# KiCad board MuxPi.kicad_pcb (continued)
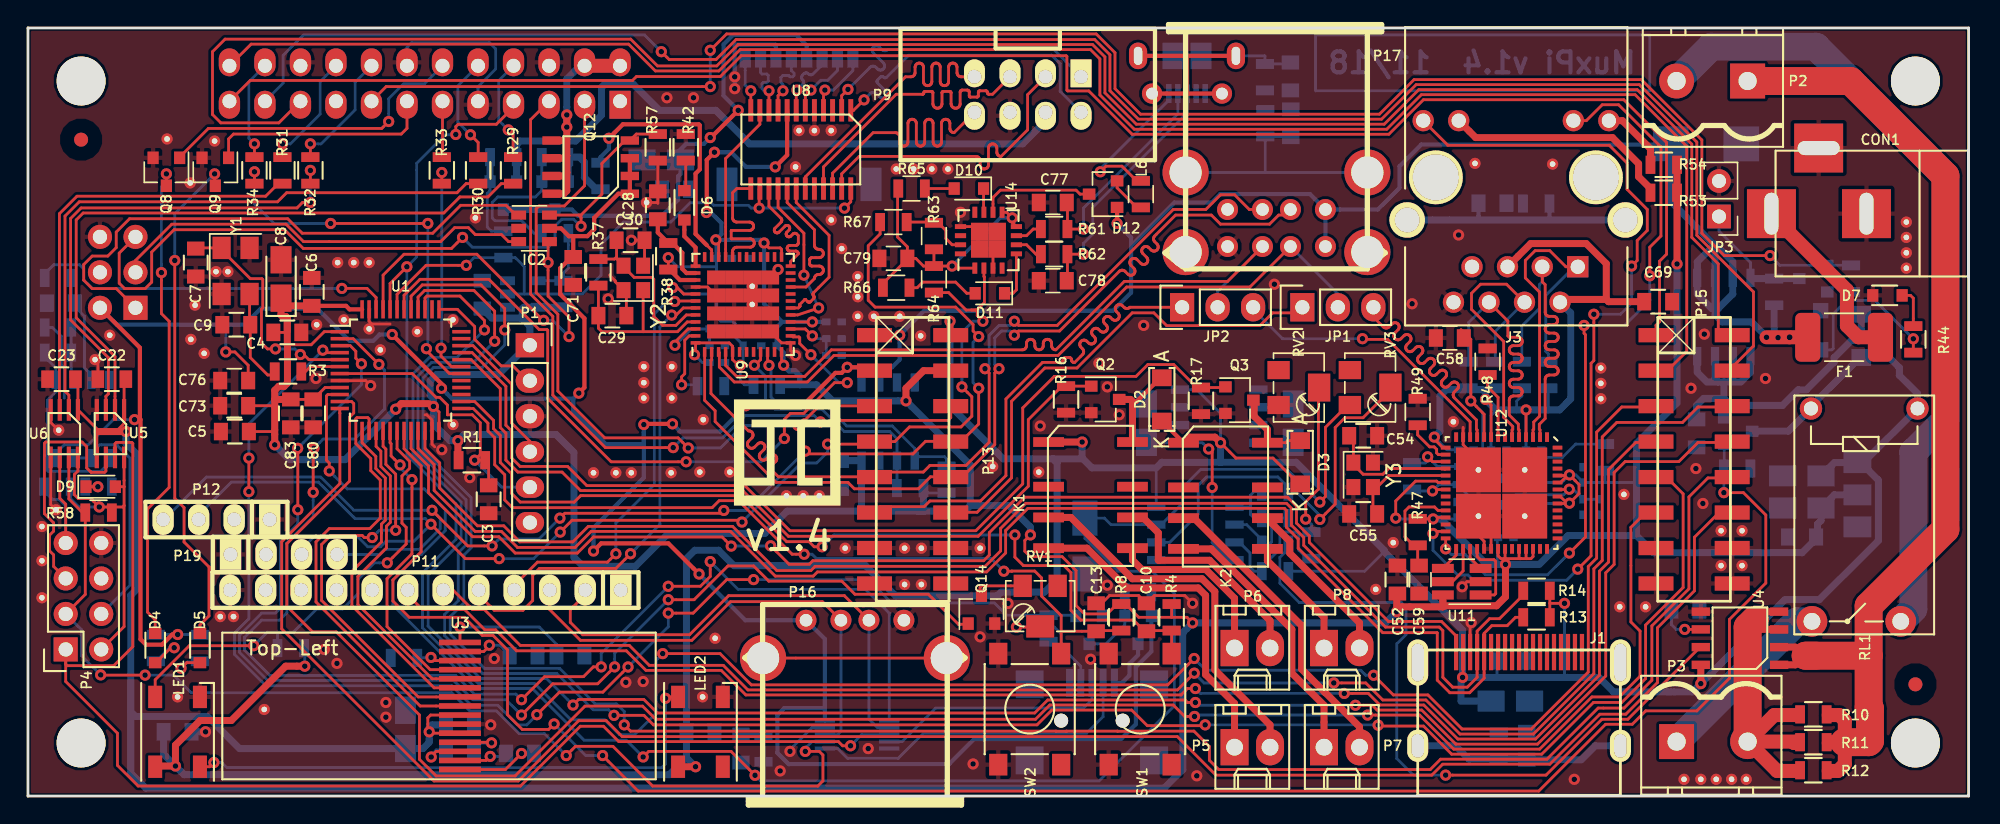
[diagram p0: board, top side]
## Routing (per net, layer and track width the routed paths; a pad name or vN(x,y) marks a point on that pad's centre or on a via; arc(x,y) is an arc through that point) (continued)
Net-(D5-Pad1): length 36.2
  Top w0.2: D5.1 12.3,12.25 12.95,12.9 12.95,16.4 11.16,18.19 11.16,20.66 10.5,21.32 v1(10.5,38.35) ; v1(13.35,44.55) 13.35,43.75 Q9.3
  Bottom w0.2: v1(13.35,44.55) 10.5,41.7 v1(10.5,38.35)
Net-(D5-Pad2): length 3.1
  Top w0.2: v1(10.95,9.15) 11.35,9.55 D5.2
  Bottom w0.2: v1(10.95,9.15) 11.4,9.6 12.3,9.6
Net-(D6-Pad1): length 2.2
  Top w0.2: R42.1 47.05,43.45 D6.1
Net-(D6-Pad2): length 3.6
  Top w0.3: D6.2 46.95,40.08 47.75,39.28 U9.37
Net-(D7-Pad2): length 2.9
  Top w0.2: R44.2 134.85,35.65 134.65,35.85 D7.2
Net-(D9-Pad1): length 1.8
  Top w0.2: D9.1 v1(5,22.15)
  Bottom w0.2: v1(5,22.15) R6.1
Net-(D9-Pad2): length 25.3
  Top w0.2: v1(5.1,20.7) 5,20.8 5,20.9 ; v1(5.1,20.7) 5,20.7 ; v1(5.1,20.7) 6.77,20.7 6.88,20.8 ; v1(5.1,20.7) 4.5,21.3 3.6,21.3 3.32,21.58 3.32,23.02 3.57,23.28 U6.8 ; D9.2 6.88,22.15 ; 6.88,22.15 U5.8 ; 6.88,22.15 6.88,20.8 ; 6.88,20.8 6.88,12.13 P4.2
  Bottom w0.2: R27.1 3.05,21.3 3.65,20.7 v1(5.1,20.7) 5.1,20.65
Net-(D10-Pad1): length 1.7
  Top w0.2: D10.1 68.35,41.82 U14.11
Net-(D10-Pad2): length 2.1
  Top w0.2: R65.2 D10.2
Net-(D11-Pad1): length 3.5
  Top w0.2: 70.7,38.82 70.7,36.25 70.45,36 D11.1
Net-(D11-Pad2): length 5.2
  Top w0.2: D11.2 67.15,36 66.35,36.8 64,36.8 63.6,36.4 R66.2
Net-(D12-Pad2): length 2.8
  Top w0.2: D12.2 77.9,43.55 79.3,42.15 L6.2
Net-(D12-Pad3): length 8.3
  Top w0.2: D12.3 75.25,43.1 74.96,43.39 69.55,43.39 69.03,42.86 U14.10
Net-(IC1-Pad5): length 19
  Top w0.2: v1(53,30.84) 52.9,30.94 U9.10
  Bottom w0.2: R40.2 65.7,24.15 65.55,24.3 63.71,24.3 IC1.5 63.43,24.89 61.82,26.5 58.55,26.5 56.95,28.1 53.61,28.1 53.15,28.56 53.15,30.69 v1(53,30.84)
Net-(IC1-Pad6): length 18.1
  Top w0.2: U9.9 52.4,31.25 52,30.85 v1(51.95,30.85)
  Bottom w0.2: R41.2 62.16,22.06 IC1.6 62.16,25.59 61.65,26.1 58.38,26.1 56.78,27.7 53.44,27.7 52.75,28.39 52.75,30.05 v1(51.95,30.85)
Net-(J2-Pad1): length 4.9
  Top w0.2: v1(57,50.55) 56.9,50.45 U8.4
  Bottom w0.2: J2.1 59,51.95 57.6,50.55 v1(57,50.55)
Net-(J2-Pad2): length 4.9
  Top w0.2: U8.6 55.6,50.15 v1(56,50.55)
  Bottom w0.2: J2.2 57.9,51.95 57.2,51.25 56.7,51.25 v1(56,50.55)
Net-(J2-Pad3): length 5
  Top w0.2: U8.7 54.95,50.5 v1(55,50.55)
  Bottom w0.2: J2.3 56.8,52.35 56.16,51.71 56.12,51.68 56.07,51.66 56.02,51.64 55.97,51.64 55.91,51.66 55.87,51.68 55.78,51.75 55.73,51.77 55.68,51.78 55.63,51.78 55.58,51.77 55.53,51.75 55.49,51.71 55.4,51.63 55.37,51.58 55.34,51.54 55.33,51.48 55.33,51.43 55.34,51.38 55.37,51.33 55.43,51.25 55.46,51.2 55.47,51.15 55.47,51.09 55.46,51.04 55.43,50.99 55.4,50.95 v1(55,50.55)
Net-(J2-Pad5): length 4.9
  Top w0.2: U8.9 53.65,50.15 v1(54,50.5)
  Bottom w0.2: v1(54,50.5) 54,50.95 53.85,51.1 53.85,51.45 54,51.6 54.4,51.6 54.5,51.5 54.7,51.5 54.8,51.6 54.8,51.75 54.6,51.95 J2.5
Net-(J2-Pad7): length 4.9
  Top w0.2: U8.10 v1(53,50.5)
  Bottom w0.2: J2.7 52.4,51.8 52.5,51.7 52.85,51.7 52.95,51.6 52.95,51.2 52.85,51.1 52.6,51.1 52.5,51 52.5,50.65 52.65,50.5 v1(53,50.5)
Net-(J2-Pad8): length 3.9
  Top w0.2: U8.12 v1(51.7,50.5)
  Bottom w0.2: v1(51.7,50.5) 51.3,50.9 J2.8
Net-(J3-PadGA): length 16.6
  Top w0.5: R53.1 116.05,43.5 115.2,44.35 115.2,45.28 113.33,47.15 103.55,47.15 J3.GA
Net-(J3-PadGK): length 62.4
  Top w0.2: v1(112,34.5) 112,31.19 111.8,30.99 111.8,17.2 v1(110.85,16.25) ; U12.27 100.64,18.95 v1(100.49,18.8) ; 99.8,48.36 101.56,46.6 113.1,46.6 114.38,45.32 114.38,43.45 115.82,42 115.82,40.5 115.1,39.78 115.1,38.35 v1(114.7,37.95)
  Bottom w0.2: v1(110.85,16.25) 110.05,15.45 103.37,15.45 103,15.82 102.26,15.82 100.49,17.59 v1(100.49,18.8) ; v1(112,34.5) 113.9,34.5 114.7,35.3 v1(114.7,37.95)
Net-(J3-PadYA): length 5
  Top w0.5: R54.1 116.05,46.35 114.04,48.36 J3.YA
Net-(J3-PadYK): length 52.6
  Top w0.2: J3.YK 111.46,48.36 112.6,49.5 113.77,49.5 116.8,46.47 116.8,40.1 116,39.3 v1(116,37.25) ; v1(111.3,33.7) 111.3,33.13 111.4,33.03 111.4,18.55 v1(110.25,17.4) ; U12.28 v1(101.4,17.7)
  Bottom w0.2: v1(111.3,33.7) 114.2,33.7 116,35.5 v1(116,37.25) ; v1(110.25,17.4) 108.7,15.85 104.25,15.85 102.8,17.3 101.8,17.3 v1(101.4,17.7)
Net-(J5-Pad2): length 23.8
  Bottom w0.2: U13.6 57.92,3.4 58.62,2.7 62.24,2.7 64.04,4.5 75.71,4.5 76.9,5.69 J5.2
Net-(J5-Pad3): length 16.9
  Bottom w0.2: U13.4 62.53,3.9 64.93,6.3 75.5,6.3 76.1,6.9 J5.3
Net-(JP3-Pad1): length 8.8
  Bottom w0.2: JP3.1 120.95,40.45 123.21,38.19 Q11.4 123.25,37.05
  Bottom w0.5: Q10.3 R46.2 123.25,37.05
Net-(K1-Pad3): length 26.9
  Top w0.5: P5.2 88.84,5.09 84.89,9.04 84.89,14.64 83.97,15.56 78.99,15.56 74.6,19.95 K1.3
Net-(K1-Pad4): length 24.4
  Top w0.5: K1.4 75.75,17.75 78.6,14.9 83.7,14.9 84.23,14.37 84.23,8.7 86.3,6.63 P5.1
Net-(K1-Pad5): length 13.1
  Top w0.5: 86.3,10.9 P6.1 86.3,14.17 84.25,16.22 79.68,16.22 79,16.9 K1.5
Net-(K1-Pad6): length 16
  Top w0.5: K1.6 79.75,19.95 80.85,18.85 80.85,16.9 80.87,16.88 84.52,16.88 88.84,12.56 P6.2
Net-(K2-Pad3): length 22.1
  Top w0.5: K2.3 83.4,19.9 91.1,12.2 91.1,9.09 92.79,7.4 92.8,7.4 95.24,4.96 P7.2
Net-(K2-Pad4): length 19.5
  Top w0.5: P7.1 92.7,6.5 90.4,8.8 90.4,11.93 84.63,17.7 K2.4
Net-(K2-Pad5): length 9.5
  Top w0.5: K2.5 88.65,16.85 92.7,12.8 P8.1 ; 87.85,17.7 88.6,17.7
Net-(K2-Pad6): length 12.8
  Top w0.5: K2.6 88.65,19.84 90.25,18.24 90.25,17.39 95.24,12.4 P8.2 ; 87.85,19.9 88.6,19.9
Net-(L1-Pad2): length 19
  Top w0.2: U9.35 48.9,39.12 48.88,39.12 48.55,39.45
  Top w0.3: 48.55,39.45 47.75,40.25 47.75,44.57 48.05,44.87 48.05,48.03 47.98,48.1 42.55,48.1 v1(41.55,47.1)
  Bottom w0.3: v1(41.55,47.1) 41.55,46.35 40.95,45.75 L1.2
Net-(L6-Pad1): length 11.1
  Top w0.2: v1(76.7,44.7) 77.1,45.1 78.25,45.1 79.3,44.05 L6.1
  Bottom w0.2: P10.1 81.6,49.82 76.7,44.93 v1(76.7,44.7)
Net-(LED1-Pad2): length 39.3
  Top w0.2: LED2.4 45.7,7.1 v1(45.6,7) ; LED1.2 13,2.1 v1(13.3,2.4)
  Bottom w0.2: v1(13.3,2.4) 13.87,2.4 14.23,2.04 45.34,2.04 45.6,2.3 v1(45.6,7)
Net-(P2-Pad1): length 79
  Top w0.2: 127.9,10.05 127.06,10.05 126.8,9.79
  Top w0.5: 125.25,10.66 126.41,10.66 126.8,10.27 126.8,9.79 126.41,9.4 U4.1
  Top w1: 129.95,3.9 129.91,3.86 128.86,3.86 128.8,3.8 ; 129.95,3.9 129.95,5.41 129.56,5.8 128.8,5.8 ; 129.95,3.9 129.95,2.29 129.46,1.8 128.8,1.8
  Top w2: 127.9,10.05 127.15,10.05 131.65,10.05 ; 131.65,10.05 131.65,6.35 131.75,6.25 131.75,3.95 131.66,3.86 129.91,3.86 ; 131.65,10.05 131.65,13.61 137.15,19.1 137.15,44.4 130.35,51.2 P2.1
Net-(P2-Pad2): length 57.4
  Bottom w2: 133.9,12.45 134.85,13.4 134.85,24.62 137.15,26.92 137.15,44.4 127.9,53.65 120.37,53.65 P2.2
Net-(P3-Pad1): length 13.2
  Bottom w2: RL1.2 126.53,12.51 P3.1
Net-(P3-Pad2): length 29
  Top w0.2: U4.4 124.1,13.21 123.5,12.6 124.16,11.94 U4.3
  Top w0.5: U4.4 123.16,13.21 ; U4.3 124.09,11.94
  Top w1: P3.2 124.9,5.8 126.6,5.8 ; P3.2 125.1,1.8 126.6,1.8 ; P3.2 126.5,3.9 126.6,3.8 126.32,3.8 126.26,3.86
  Top w2: P3.2 123,12.1 123.5,12.6
Net-(P4-Pad4): length 17
  Bottom w0.2: U2.7 U2.6 4.54,24.56 5.13,25.15 5.26,25.15 5.26,25.16 6.35,25.16 6.41,25.1 6.41,25.09 7.3,24.19 7.3,15.1 P4.4
Net-(P4-Pad5): length 17.8
  Top w0.2: U5.6 5.57,23.28 5.48,23.18 4.54,23.18 4.52,23.2 4.5,23.2 4.2,23.5 4.2,25.02 3.87,25.35 1.27,25.35 1.18,25.26 1.18,24.38 1.17,24.37 1.17,20.23 1.84,19.56 1.84,18.97 1.54,18.68 1.54,17.56 1.84,17.27 1.84,16.44 P4.5
Net-(P4-Pad7): length 11.3
  Top w0.2: P4.7 2.7,20.9 2.27,21.32 U6.6
  Bottom w0.2: R27.2 1.15,21.85 1.76,21.24 2.24,21.24 2.7,20.78 P4.7
Net-(Q4-Pad1): length 12.3
  Bottom w0.2: 36.6,40.45 36.6,39.85 ; 36.75,45.45 R19.1 Q4.1 36.75,43.35 36.3,42.9 33.6,42.9 33.21,42.51 33.21,41.39 33.4,41.2 35.3,41.2 36.2,40.3 R75.1
Net-(Q5-Pad1): length 6.4
  Bottom w0.2: R76.1 33.15,40.45 32.85,40.75 32.85,43.15 33.05,43.35 Q5.1
  Bottom w0.5: R20.1 Q5.1
Net-(Q13-Pad3): length 5.5
  Bottom w0.2: Q13.3 77.1,10.9 78.45,12.25 Q6.1 R25.2
Net-(Q14-Pad3): length 3.7
  Top w0.2: RV1.3 68.2,15.05 68.1,14.95 68.1,14.3
Net-(R3-Pad2): length 2.9
  Top w0.2: U1.6 20.2,30.75 19.6,30.15
Net-(R5-Pad1): length 3.2
  Top w0.2: v1(28.83,9.93) 29.05,9.7 U3.13
  Bottom w0.2: R5.1 28.8,9.9 v1(28.83,9.93)
Net-(R18-Pad2): length 5.5
  Bottom w0.2: 36.3,36.9 U7.4 R18.2 38.3,37.45 38.65,37.8 R75.2
Net-(R22-Pad1): length 3.8
  Bottom w0.2: R22.1 R23.2 3.1,29.97 U2.2
Net-(R23-Pad1): length 14
  Bottom w0.2: U2.5 5.8,23.84 5.21,23.25 1.46,23.25 1.4,23.31 1.4,28.35 2,28.94 2,30.66 1.2,31.45 R23.1
Net-(R39-Pad1): length 5.3
  Top w0.2: U9.47 47.29,32.95 46.97,32.64 46.97,30.24 46.75,30.02 v1(46.75,29.45)
  Bottom w0.2: v1(46.75,29.45) 47.9,29.45
Net-(R48-Pad2): length 4.8
  Top w0.2: 105.21,25.76 U12.8 105.15,28.55 104.4,29.3 R48.2
Net-(R49-Pad2): length 3.4
  Top w0.2: U12.16 100.87,24.45 100.75,24.57 100.75,24.82 100.58,25 100.25,25 99.4,25.86 R49.2
Net-(R61-Pad1): length 1.9
  Top w0.2: U14.7 71.42,40.12 71.9,40.6 R61.1
Net-(R62-Pad1): length 2
  Top w0.2: U14.6 71.42,39.47 72.1,38.8 R62.1
Net-(R63-Pad2): length 4.9
  Top w0.2: R67.2 64.75,41.1 R63.2 65.1,41.05 65.65,40.5 65.65,39.93 66.1,39.47 U14.15
Net-(R70-Pad1): length 6.1
  Bottom w0.2: U15.2 87.17,19.44 88.25,18.35 R70.1 88.75,18 88.95,18.2 88.95,19.25 89.6,19.9 R74.2
Net-(R70-Pad2): length 50.2
  Top w0.2: v1(101.4,1.5) 108.58,1.5 112.58,5.5 114.43,5.5 119.6,10.66 120,10.66
  Bottom w0.2: v1(101.4,1.5) 99.1,1.5 97.9,2.7 97.9,10.9 98.56,11.56 98.56,13.52 98.22,13.86 90.92,13.86 89.54,15.24 89.54,17.09 90.15,17.7 R70.2
Net-(R71-Pad2): length 10.4
  Bottom w0.2: R72.1 91.5,17 90.89,17.61 90.89,18.73 90.71,18.91 89.59,18.91 89.54,18.86 89.54,17.69 88.25,16.4 R71.2 87.7,16.1 87.4,16.4 87.4,17.42 86.66,18.16 86.3,18.16
Net-(R72-Pad2): length 10.8
  Top w0.2: v1(91.39,19.83) 91.39,21.07 92.3,21.98 92.3,29.1
  Bottom w0.2: v1(91.39,19.83) 91.42,19.83 91.8,19.45 R72.2
Net-(R74-Pad1): length 4.4
  Bottom w0.2: 87.44,20.71 87.44,21.54 87.7,21.8 R78.1 ; 87.44,20.71 U15.1 ; 87.44,20.71 87.44,20.16 87.7,19.9 R74.1
Net-(R78-Pad2): length 28.5
  Top w0.2: v1(92.4,19.81) 93.5,20.91 93.5,26.39 94.2,27.09 95.49,27.09 97.45,29.05 RV3.2
  Bottom w0.2: 90.15,22.1 89.4,22.85 84.3,22.85 83.7,22.25 83.7,20.2 81.67,18.16 80.7,18.16 80.64,18.1 ; R78.2 90.7,21.8 92.4,20.1 v1(92.4,19.81)
Net-(U11-Pad1): length 5.4
  Top w0.2: U11.1 104.88,14.4 104.98,14.5 104.98,16.8 104.86,16.93 103.88,16.93 103.65,17.16 U12.32
Net-(U11-Pad3): length 1.7
  Top w0.2: U12.31 103.15,17.05 U11.3
Net-(U11-Pad4): length 1.8
  Top w0.2: U12.29 102.15,17.25 U11.4
Net-(U11-Pad5): length 3.3
  Top w0.2: U12.30 102.65,16.12 101.88,15.35 U11.5

## Copper pours and planes (outline as drawn; the poured copper is in the pictures)
GND on Top: 0,55 138.8,55 138.8,0 0,0
GND on Bottom: 0,55 138.8,55 138.8,0 0,0

## Text on the board
Bottom: MuxPi v1.4  11/18
Cmts.User: 1 | 2 | 3 | 4 | - | +
Dwgs.User: RX | TX | 5V | GND | DBG_UART | NanoPi NEO | 1606
F.SilkS: v1.4
